# KiCad board DG Nova CPU Tester.kicad_pcb (continued)
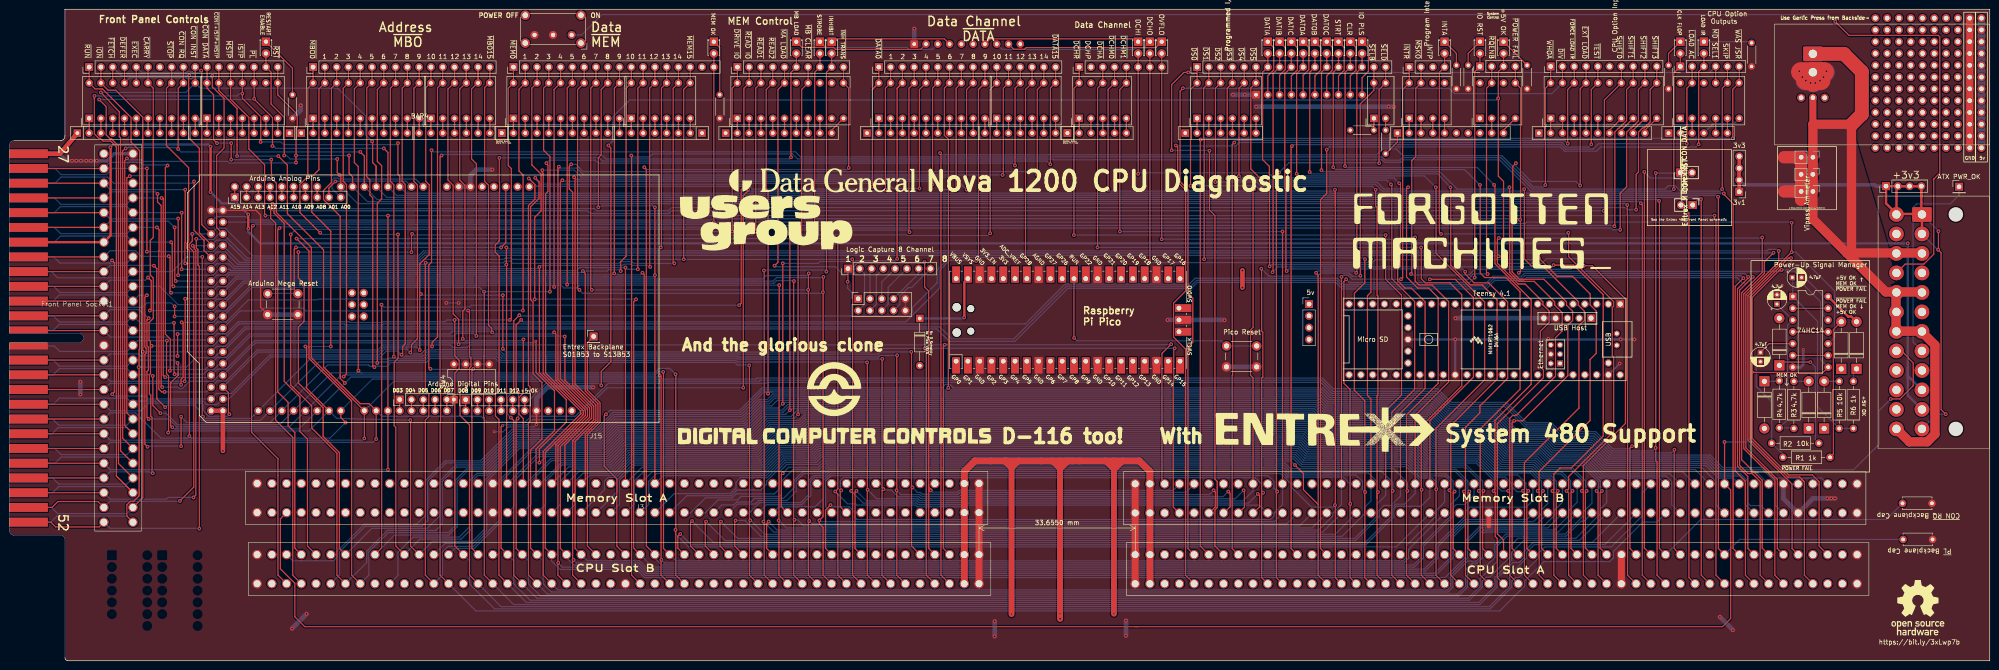
[diagram p0: board, top side]
## Routing (per net, layer and track width the routed paths; a pad name or vN(x,y) marks a point on that pad's centre or on a via; arc(x,y) is an arc through that point) (continued)
~{MBO8}: length 384.8
  Top w0.25: 258.51,31.75 259.91,33.15 259.91,36.32 v1(259.53,36.7) ; J3.12 191.25,18.44 191.25,36.65 v1(191.2,36.7) 191.25,36.76 191.25,65.71 v1(191.33,65.79) 191.25,65.86 ; J6.9 BAR3.12 84.66,123.34 84.66,103.26 85.33,102.6 85.33,68.24 84.77,67.69 84.77,66.17 v1(84.52,65.91)
  Bottom w0.25: v1(191.2,36.7) 192.11,35.8 196.19,35.8 196.58,35.41 204.79,35.41 205.18,35.8 258.62,35.8 v1(259.53,36.7) ; v1(84.52,65.91) 84.01,66.42 ; v1(84.52,65.91) 84.82,65.61 89.09,65.61 90,66.52 105.33,66.52 106.24,65.61 156.92,65.61 157.1,65.44 187.26,65.44 187.57,65.75 191.29,65.75 v1(191.33,65.79) ; v1(84.52,65.91) 83.76,66.67 ; 84.01,66.42 83.75,66.69 81.23,66.69 79.98,65.44 56.36,65.44 47.31,56.39 46.04,56.39 44.85,55.2 42.48,55.2 41.74,55.94 27.35,55.94 Front Panel Socket1.18 25.33,56.57 10.79,56.57 9.46,55.25 J5.18 ; 84.01,66.42 83.76,66.67 ; 83.76,66.67 83.74,66.67
~{MBO9}: length 403.8
  Top w0.25: v1(22.16,57.4) 22.63,57.87 22.63,85.77 v1(22.16,86.23) ; 194.43,66.6 v1(194.38,66.55) 194.43,66.49 194.43,37.54 v1(194.63,37.34) 194.43,37.14 194.43,24.71 J3.9 ; J6.10 BAR3.11 87.2,123.34 87.2,103.26 87.95,102.52 87.95,69.34 86.68,68.07 86.68,66.64 v1(86.42,66.39)
  Bottom w0.25: v1(22.16,57.4) 22.55,57.02 29.28,57.02 29.91,56.39 43.5,56.39 44.69,57.58 47.86,57.58 56.17,65.89 79.66,65.89 80.91,67.14 85.68,67.14 v1(86.42,66.39) 86.75,66.06 88.71,66.06 89.61,66.97 91.83,66.97 91.89,67.02 105.5,67.02 106.46,66.06 157.11,66.06 157.13,66.04 187.23,66.04 187.7,66.51 194.34,66.51 v1(194.38,66.55) ; 21.66,85.67 25.33,85.67 Front Panel Socket1.8 ; 21.66,85.67 10.92,85.67 9.59,87 J5.8 ; 21.66,85.67 21.66,85.72 v1(22.16,86.23) ; 255.33,38.02 253.56,36.25 205.55,36.25 ; v1(194.63,37.34) 195.72,36.25 196.38,36.25 196.77,35.86 204.53,35.86 204.93,36.25 207.33,36.25
~{MBO10}: length 424.9
  Top w0.25: 106.36,67.06 v1(106.36,67.18) v1(106.36,78.74) ; J6.11 90.87,124.57 89.75,123.44 89.75,103.26 90.49,102.52 90.49,87.51 88.46,85.48 88.46,79.25 v1(88.71,78.99) 88.46,78.74 v1(88.46,66.93) ; v1(251.14,67.31) 250.94,67.1 250.94,60.3 250.83,60.2 250.83,33.08 252.16,31.75 ; 46.04,58.93 47.23,57.74 47.23,53.29 v1(47.44,53.09) ; Front Panel Socket1.44 J5.44 ; v1(197.3,67.31) 197.6,67 197.6,18.44 J3.8
  Bottom w0.25: v1(106.36,67.18) 107.03,66.51 157.3,66.51 157.32,66.49 185.48,66.49 186.27,67.27 197.26,67.27 v1(197.3,67.31) v1(251.14,67.31) ; 88.49,66.97 v1(88.46,66.93) 87.8,67.59 80.72,67.59 79.63,66.49 53.6,66.49 46.04,58.93 ; Front Panel Socket1.44 21.78,53.84 28.39,53.84 30.04,55.49 41.56,55.49 41.82,55.22 41.82,53.84 43.01,52.66 47.01,52.66 v1(47.44,53.09) ; v1(88.71,78.99) 88.97,78.74 v1(106.36,78.74)
~{MBO11}: length 425.6
  Top w0.25: v1(31.81,93.34) 32.28,92.88 32.28,88.39 32.23,88.34 32.23,58.51 32.83,57.91 v1(33.47,57.91) ; 248.99,38.02 248.4,38.61 248.4,66.21 v1(250.38,68.2) 250.38,68.2 ; v1(91.12,67.69) 91.12,68.58 92.28,69.74 92.28,123.44 93.41,124.57 J6.12 ; v1(201.61,68.07) 201.31,67.76 201.31,24.19 J3.5
  Bottom w0.25: J5.6 9.72,93.34 11.04,92.02 25.33,92.02 Front Panel Socket1.6 v1(31.81,93.34) 31.69,93.34 ; v1(33.47,57.91) 42.48,57.91 44.85,60.28 46.75,60.28 53.41,66.94 79.44,66.94 80.53,68.03 90.78,68.03 v1(91.12,67.69) 91.47,68.03 95.06,68.03 95.62,67.47 98.69,67.47 99.25,68.03 201.58,68.03 v1(201.61,68.07) 250.25,68.07 v1(250.38,68.2)
~{MBO12}: length 504.5
  Top w0.25: 113.51,68.87 v2(113.48,68.83) 113.51,68.8 113.51,62.1 117.49,58.12 117.49,49.57 113.51,45.59 113.51,38.32 113.73,38.1 ; v1(31.94,100.58) 31.94,98.83 32.73,98.04 32.73,59.16 v1(32.96,58.93) ; v1(96.84,68.2) 96.84,73.54 95.65,74.73 95.65,102.44 94.53,103.55 94.53,123.15 95.95,124.57 J6.13 BAR4.18 ; Front Panel Socket1.30 J5.30 ; J2.39 336.56,24.18 336.56,36.27 v1(336.87,36.58)
  Bottom w0.25: v1(32.96,58.93) 36.42,58.93 36.64,58.71 37.32,58.71 38.81,60.2 43.91,60.2 45.18,61.47 46.04,61.47 53.06,68.48 96.55,68.48 v1(96.84,68.2) 97.12,68.48 113.13,68.48 v2(113.48,68.83) ; Front Panel Socket1.30 21.71,101.02 31.51,101.02 v1(31.94,100.58) ; v1(336.87,36.58) 336.49,36.96 336.49,38.75 334.55,40.7 330.74,40.7 328.72,42.72 321.74,42.72 317.83,46.63 307.04,46.63 304.18,49.5 281.56,49.5 279.93,51.13 172.04,51.13 170.85,49.94 164.25,49.94 160.48,46.18 132.95,46.18 129.42,42.65 118.94,42.65 114.39,38.1 113.73,38.1
~{MBO13}: length 502.3
  Top w0.25: v1(339.92,36.58) 339.66,36.32 339.66,24.25 J2.37 ; BAR4.17 J6.14 98.49,124.57 97.08,123.15 97.08,103.55 98.19,102.44 98.19,75.77 97.73,75.31 v1(97.73,69.34) ; 110.55,38.1 110.77,38.32 110.77,52.17 109.84,53.11 109.84,56.72 110.77,57.66 110.77,69.18 v1(110.81,69.22) 110.77,69.25 ; v1(33.59,61.09) 33.18,61.5 33.18,99.47 33.09,99.57 v1(32.83,99.69) 32.96,99.69
  Bottom w0.25: J5.4 9.72,99.69 11.11,98.3 25.26,98.3 Front Panel Socket1.4 v1(32.83,99.69) ; v1(33.59,61.09) 33.68,61 43.03,61 44.85,62.82 46.75,62.82 52.87,68.94 97.32,68.94 v1(97.73,69.34) 98.13,68.94 110.53,68.94 v1(110.81,69.22) ; 110.55,38.1 111.22,38.1 116.67,43.55 129.05,43.55 132.58,47.08 160.11,47.08 163.87,50.84 170.47,50.84 171.66,52.03 280.3,52.03 281.94,50.4 304.55,50.4 307.42,47.53 318.2,47.53 322.11,43.62 329.09,43.62 331.11,41.59 336.82,41.59 339.74,38.68 339.74,36.76 v1(339.92,36.58)
~{MBO14}: length 467.2
  Top w0.25: J2.43 330.21,24.18 330.21,36.27 v1(330.52,36.58) ; v1(35.62,61.72) 35.5,61.85 v1(35.5,72.77) ; 120.08,38.1 119.74,38.44 119.74,46.48 125.5,52.25 125.5,54.68 119.74,60.45 119.74,69.81 v1(119.7,69.85) 119.74,69.89 ; v1(100.65,69.98) 100.65,107.06 99.61,108.1 99.61,123.15 101.03,124.57 J6.15 BAR4.16
  Bottom w0.25: v1(330.52,36.58) 330.21,36.89 330.21,38.68 327.97,40.92 320.99,40.92 317.08,44.83 306.3,44.83 303.43,47.7 280.82,47.7 279.18,49.33 172.78,49.33 171.59,48.14 164.99,48.14 161.23,44.38 133.71,44.38 130.18,40.85 122.83,40.85 120.08,38.1 ; J5.12 9.46,74.3 10.79,72.97 25.33,72.97 Front Panel Socket1.12 28.31,72.64 34.74,72.64 34.86,72.77 v1(35.5,72.77) ; v1(35.62,61.72) 41.85,61.72 42.78,62.66 43.99,62.66 45.34,64.01 46.04,64.01 51.97,69.94 95.82,69.94 96.43,70.54 100.08,70.54 v1(100.65,69.98) 100.69,69.94 119.61,69.94 v1(119.7,69.85)
~{MBO15}: length 503.1
  Top w0.25: v1(104.08,70.74) 103.95,70.87 103.95,71.63 103.27,72.31 103.27,102.44 102.44,103.26 102.44,123.49 102.86,123.9 ; J2.41 333.38,24.18 333.38,36.27 v1(333.69,36.58) ; v1(34.61,62.48) 34.7,62.57 34.7,69.29 33.63,70.36 33.63,106.21 v1(34.1,106.68) ; 102.86,123.9 103.55,124.59 ; 102.86,123.9 103.44,124.48 BAR4.15 103.57,124.5 J6.16 ; 116.91,38.1 117.78,38.97 117.78,46.48 117.79,46.48 124.16,52.84 124.16,54.04 117.78,60.42 117.78,70.37 v1(117.41,70.74) ; Front Panel Socket1.28 J5.28
  Bottom w0.25: 116.91,38.1 120.55,41.75 129.8,41.75 133.33,45.28 160.86,45.28 164.62,49.04 171.22,49.04 172.41,50.23 279.55,50.23 281.19,48.6 303.8,48.6 306.67,45.73 317.46,45.73 321.36,41.82 328.34,41.82 330.37,39.8 332.27,39.8 333.38,38.68 333.38,36.89 v1(333.69,36.58) ; v1(34.61,62.48) 34.86,62.74 42.23,62.74 44.85,65.36 46.75,65.36 51.78,70.39 94.93,70.39 95.54,70.99 103.82,70.99 v1(104.08,70.74) 104.43,70.39 117.06,70.39 v1(117.41,70.74) ; Front Panel Socket1.28 21.71,107.37 28.33,107.37 28.89,106.81 33.97,106.81 v1(34.1,106.68)
~{MD SEL1}: length 233.5
  Top w0.25: v1(254.06,126.75) 253.13,126.75 250.49,124.11 v1(250.49,109.95) ; v1(258.64,109.86) 258.64,97.1 259.81,95.92 259.81,39.13 260.31,38.64 260.31,32.98 259.81,32.49 259.81,24.72 J2.87 ; J17.4 BAR16.17
  Bottom w0.25: v1(250.49,109.95) 258.54,109.95 v1(258.64,109.86) ; J17.4 366.43,126.71 254.1,126.71 v1(254.06,126.75) 254.03,126.71
~{MEM0}: length 492.6
  Top w0.25: v1(107.89,73.41) 108.19,73.71 108.19,106.02 107.52,106.68 107.52,123.34 BAR5.20 J7.1 ; 5.27,70.73 5.66,71.12 Front Panel Socket1.39 ; J3.71 96,24.71 96,61.98 96.95,62.92 96.95,64.72 96,65.66 96,73.35 v1(95.95,73.41) 96,73.46
  Bottom w0.25: J3.71 99.18,21.53 99.18,16.57 104.57,11.18 319.12,11.18 319.61,11.67 ; 353.76,38.02 351.91,36.17 351.91,31.2 345.22,24.51 330.9,24.51 329.69,23.3 329.69,22.28 325.31,17.91 324.55,17.91 323.79,17.14 323.79,15.84 319.61,11.67 ; 319.61,11.67 319.24,11.3 ; Front Panel Socket1.39 21.78,69.72 34.24,69.72 34.87,69.09 43.5,69.09 44.85,70.44 46.75,70.44 49.34,73.03 73.31,73.03 73.48,72.86 80.37,72.86 80.54,73.03 93.92,73.03 94.3,73.41 v1(95.95,73.41) v1(107.89,73.41)
~{MEM1}: length 491.9
  Top w0.25: J3.70 99.18,18.44 99.18,50.8 97.14,52.84 97.14,57.77 99.18,59.82 99.18,63.11 99.49,63.42 99.49,65.22 99.18,65.53 99.18,75.13 v1(98.87,75.44) ; J7.2 BAR5.19 109.84,123.11 109.84,105.51 110.73,104.62 110.73,75.48 v1(110.68,75.44) 110.73,75.39 ; Front Panel Socket1.41 J5.41 ; v1(36.26,70.36) v1(36.26,65.66)
  Bottom w0.25: 36.26,65.53 v1(36.26,65.66) 28.31,65.66 27.88,66.09 21.71,66.09 Front Panel Socket1.41 ; v1(110.68,75.44) v1(98.87,75.44) 98.79,75.36 63.95,75.36 63.36,75.95 54.88,75.95 54.29,75.36 49.77,75.36 46.04,71.63 45.18,71.63 43.91,70.36 v1(36.26,70.36) ; J3.70 105.97,11.66 318.96,11.66 323.33,16.03 323.33,18.49 326.96,22.12 326.96,23.33 328.66,25.02 343.85,25.02 350.58,31.75
~{MEM2}: length 434.7
  Top w0.25: 135.95,22.86 134.56,24.26 134.56,77.34 v1(135.07,77.85) ; J7.3 BAR5.18 112.6,123.34 112.6,106.81 114.6,104.81 114.6,96.9 113.22,95.52 v1(113.22,77.85)
  Bottom w0.25: v1(135.07,77.85) 135.02,77.9 113.27,77.9 v1(113.22,77.85) 113.18,77.9 66.69,77.9 66.59,77.8 65.89,77.8 65.82,77.73 51.5,77.73 46.75,72.98 44.85,72.98 42.99,71.12 Front Panel Socket1.13 25.33,72.45 10.79,72.45 9.57,71.27 J5.13 ; 315.66,38.02 315.66,35.69 313.63,33.66 313.63,33.66 311.85,33.66 311.08,32.89 311.08,31.01 304.74,24.66 304.74,22.11 302.8,20.18 138.64,20.18 135.95,22.86
~{MEM3}: length 499.7
  Top w0.25: 37.02,72.77 v1(37.15,72.9) 37.46,72.59 37.46,61.09 37.02,60.65 v1(37.02,59.44) 37.02,59.31 ; 102.36,79.56 v1(102.3,79.5) 102.36,79.45 102.36,65.66 102.32,65.62 102.32,62.14 102.36,62.1 102.36,58.06 102.22,57.92 102.22,52.49 102.36,52.36 102.36,18.44 J3.68 ; J7.4 BAR5.17 115.15,123.34 115.15,109.98 116.52,108.6 v1(116.52,79.5) ; Front Panel Socket1.43 J5.43
  Bottom w0.25: J3.68 108.69,12.1 316.87,12.1 320.61,15.84 320.61,17.78 323.99,21.16 325.36,21.16 326.51,22.3 326.51,22.61 ; 347.41,31.75 341.13,25.47 328.43,25.47 326.51,23.55 326.51,22.61 ; Front Panel Socket1.43 21.71,59.75 36.71,59.75 v1(37.02,59.44) ; 326.51,23.4 326.51,22.61 ; v1(116.52,79.5) v1(102.3,79.5) 101.37,80.44 52.31,80.44 46.04,74.17 45.18,74.17 43.91,72.9 v1(37.15,72.9)
~{MEM4}: length 402
  Top w0.25: J7.5 BAR5.16 117.4,123.05 117.4,80.54 v1(117.41,80.52) ; 165.85,80.83 v1(165.93,80.9) 165.85,30.28 v1(165.8,30.23) 165.85,30.17 165.85,18.44 J3.28 ; v1(35.62,76.33) v1(35.62,74.17) ; Front Panel Socket1.37 J5.37
  Bottom w0.25: Front Panel Socket1.37 21.71,76.14 28.71,76.14 29.66,77.09 34.86,77.09 v1(35.62,76.33) ; 283.91,31.75 280.76,28.6 167.43,28.6 v1(165.8,30.23) ; v1(35.62,74.17) 43.5,74.17 44.69,75.36 46.59,75.36 52.12,80.89 117.04,80.89 v1(117.41,80.52) 117.78,80.89 118.94,80.89 119.52,80.3 122.27,80.3 122.85,80.89 165.91,80.89 v1(165.93,80.9)
~{MEM5}: length 402.6
  Top w0.25: v1(120.21,81.03) 120.22,81.04 120.22,123.38 BAR5.15 121.35,124.5 J7.6 ; Front Panel Socket1.36 J5.36 ; 169.03,81.86 v1(169.1,81.79) 169.03,81.72 169.03,30.55 v1(169.23,30.35) 169.03,30.15 169.03,18.44 J3.26 ; v1(29.91,82.55) 30.59,81.88 30.59,75.73 v1(30.29,75.44)
  Bottom w0.25: 280.74,31.75 278.04,29.05 171.17,29.05 169.86,30.35 v1(169.23,30.35) ; Front Panel Socket1.36 21.71,81.97 29.33,81.97 v1(29.91,82.55) ; v1(30.29,75.44) 43.91,75.44 45.18,76.71 46.04,76.71 50.67,81.34 119.9,81.34 v1(120.21,81.03) 120.52,81.34 164.78,81.34 165.33,81.88 169.01,81.88 v1(169.1,81.79)
~{MEM6}: length 446.8
  Top w0.25: J7.7 BAR5.14 122.47,123.05 122.47,80.28 v1(122.87,79.88) ; J3.22 175.38,18.44 175.38,28.7 174.56,29.52 v1(174.56,30.23) 175.38,31.04 175.38,79.32 v1(175.32,79.38) 175.38,79.43 175.38,82.61 v1(175.45,82.68) 175.38,82.75
  Bottom w0.25: J5.10 9.59,80.64 10.92,79.32 25.33,79.32 Front Panel Socket1.10 32.44,80.64 36.38,76.71 43.5,76.71 44.69,77.9 46.59,77.9 50.48,81.79 160.47,81.79 160.47,81.79 164.6,81.79 165.32,82.51 175.29,82.51 v1(175.45,82.68) ; 174.44,30.23 v1(174.56,30.23) 174.56,30.1 174.69,29.97 272.61,29.97 274.38,31.75 ; v1(175.32,79.38) 175.11,79.16 123.47,79.16 v1(122.87,79.88) 122.87,79.76
~{MEM7}: length 458.4
  Top w0.25: J3.24 172.2,18.44 172.2,29.9 v1(172.4,30.1) 172.2,30.3 172.2,79.83 v1(172.15,79.88) 172.2,79.94 172.2,83.37 v1(172.28,83.44) 172.2,83.51 ; J7.8 BAR5.13 125.31,123.34 125.31,80.12 v1(125.54,79.88) ; v1(37.78,60.2) 37.91,60.33 v1(37.91,77.98) ; Front Panel Socket1.42 J5.42
  Bottom w0.25: Front Panel Socket1.42 21.78,60.2 v1(37.78,60.2) ; v1(125.54,79.88) v1(172.15,79.88) ; 277.56,31.75 275.31,29.5 173,29.5 v1(172.4,30.1) ; 38.16,77.98 v1(37.91,77.98) 44.13,77.98 45.4,79.25 46.04,79.25 49.03,82.24 135.7,82.24 135.7,82.24 162.37,82.24 163.1,82.96 171.8,82.96 v1(172.28,83.44)
~{MEM8}: length 442.2
  Top w0.25: v1(34.86,79.25) 34.65,79.47 34.65,86.85 34.63,86.85 v1(34.35,87.12) ; v1(311.47,36.45) 311.16,36.14 311.16,24.18 J2.55 ; Front Panel Socket1.34 J5.34 ; J7.9 BAR5.12 127.56,123.05 127.56,108.97 126.94,108.35 v1(126.94,97.66) ; v1(139.13,97.66) v1(139.13,83.06) 139.13,38.1
  Bottom w0.25: v1(34.35,87.12) 28.4,87.12 27.2,88.32 21.71,88.32 Front Panel Socket1.34 ; v1(126.94,97.66) 127.79,98.01 138.78,98.01 v1(139.13,97.66) ; v1(311.47,36.45) 311.16,36.76 311.16,38.68 309.57,40.27 304.49,40.27 301.57,43.2 278.95,43.2 277.32,44.83 174.75,44.83 173.56,43.64 166.89,43.64 163.13,39.88 140.91,39.88 139.13,38.1 ; v1(34.86,79.25) 43.5,79.25 44.85,80.6 46.75,80.6 48.84,82.69 128.34,82.69 128.34,82.69 138.76,82.69 v1(139.13,83.06)
~{MEM9}: length 436.2
  Top w0.25: v1(130.37,83.44) 130.38,83.46 130.38,123.34 BAR5.11 J7.10 ; v1(35.37,80.64) 35.12,80.9 35.12,89.92 v1(34.86,90.17) ; v1(314.64,36.45) 314.33,36.14 314.33,24.18 J2.53 ; 135.95,38.1 136.83,38.97 136.83,83.2 v1(136.46,83.57)
  Bottom w0.25: v1(314.64,36.45) 314.33,36.76 314.33,38.68 311.79,41.23 304.81,41.23 301.94,44.1 279.33,44.1 277.69,45.73 174.37,45.73 173.18,44.54 166.52,44.54 162.76,40.78 138.63,40.78 135.95,38.1 ; v1(34.86,90.17) Front Panel Socket1.7 25.33,91.5 11.04,91.5 9.72,90.17 4.15,90.17 ; v1(35.37,80.64) 35.5,80.52 43.91,80.52 45.18,81.79 46.04,81.79 47.39,83.14 121.35,83.14 121.35,83.14 130.07,83.14 v1(130.37,83.44) 130.67,83.14 136.03,83.14 v1(136.46,83.57)
~{MEM10}: length 463.7
  Top w0.25: J7.11 BAR6.20 132.93,123.34 132.93,87.14 131.76,85.98 v1(131.76,83.95) 131.76,83.82 ; Front Panel Socket1.32 J5.32 ; J2.45 327.04,24.18 327.04,36.27 v1(327.34,36.58) 327.04,36.89 ; v1(35.62,93.34) 35.66,93.31 35.66,82 v1(35.88,81.79) ; 123.25,38.1 124.13,38.97 124.13,48.83 126.85,51.55 126.85,55.38 124.13,58.11 124.13,83.45 v1(123.64,83.95)
  Bottom w0.25: v1(327.34,36.58) 326.84,37.08 326.84,38.23 325.06,40.02 320.62,40.02 316.71,43.93 305.93,43.93 303.06,46.8 280.45,46.8 278.81,48.43 173.16,48.43 171.96,47.24 165.38,47.24 161.62,43.48 134.08,43.48 130.55,39.95 125.1,39.95 123.25,38.1 ; v1(35.62,93.34) 34.3,94.67 21.71,94.67 Front Panel Socket1.32 ; v1(35.88,81.79) 43.5,81.79 44.77,83.06 46.67,83.06 47.2,83.59 51.75,83.59 51.76,83.59 123.28,83.59 v1(123.64,83.95) 128.84,83.95 129.12,84.22 131.49,84.22 v1(131.76,83.95)
~{MEM11}: length 445.6
  Top w0.25: v1(317.69,36.58) 317.51,36.39 317.51,24.18 J2.51 ; Front Panel Socket1.31 J5.31 ; J7.12 BAR6.19 135.47,123.34 v1(135.45,84.33) 135.47,84.35 ; 132.78,38.1 v1(132.78,84.71) ; v1(36.39,83.06) v1(36.39,95.25)
  Bottom w0.25: v1(135.45,84.33) 133.16,84.33 v1(132.78,84.71) 132.74,84.67 122.87,84.67 122.24,84.04 47.82,84.04 47.82,84.04 47.53,84.33 45.18,84.33 43.91,83.06 v1(36.39,83.06) ; v1(317.69,36.58) 317.51,36.76 317.51,38.68 314.06,42.13 305.18,42.13 302.31,45 279.7,45 278.06,46.63 174,46.63 172.81,45.44 166.13,45.44 162.37,41.68 136.36,41.68 132.78,38.1 ; v1(36.39,95.25) 36.33,95.2 21.71,95.2 Front Panel Socket1.31 21.59,95.32
~{MEM12}: length 517.4
  Top w0.25: v1(37.15,96.52) v1(37.15,84.33) ; v1(342.08,36.58) 342.38,36.27 342.38,18.43 J2.36 ; v1(138.11,84.84) 138,84.95 138,123.34 BAR6.18 J7.13 ; v1(114.24,84.84) 114.24,62.05 120.03,56.25 120.03,51.39 114.24,45.59 v1(114.24,42.67)
  Bottom w0.25: 107.38,31.83 108.78,33.23 108.78,38.73 114.04,44 115.89,44 ; v1(37.15,96.52) Front Panel Socket1.5 25.33,97.84 11.04,97.84 9.72,96.52 J5.5 ; 115.89,44 128.84,44 132.37,47.53 159.92,47.53 163.69,51.29 170.29,51.29 171.48,52.48 280.49,52.48 282.12,50.85 304.74,50.85 307.6,47.98 318.39,47.98 322.3,44.07 329.28,44.07 331.29,42.05 338.9,42.05 342.46,38.5 342.46,36.96 v1(342.08,36.58) ; 115.89,44 115.69,44 v1(114.24,42.67) 114.37,42.67 ; v1(37.15,84.33) 43.5,84.33 44.69,85.52 47.3,85.52 48.33,84.49 113.89,84.49 v1(114.24,84.84) 114.55,85.15 132.19,85.15 132.48,85.43 133.96,85.43 134.25,85.15 137.61,85.15 137.92,84.84 v1(138.11,84.84) 137.99,84.84
~{MEM13}: length 508.9
  Top w0.25: J2.35 342.83,24.25 342.83,36.19 v1(343.22,36.58) ; 20.38,102.87 4.15,102.87 ; v1(107.13,85.34) 107.16,85.31 107.16,58.36 107.17,58.35 107.17,50.86 107.16,50.86 107.16,38.32 ; v1(107.13,85.34) v1(107.13,89.03) ; v1(107.13,85.34) 107.16,85.38 ; v1(37.91,101.47) 37.91,90.16 37.86,90.1 37.86,85.65 v1(37.91,85.6) ; J7.14 BAR6.17 140.54,123.34 140.54,89.17 v1(140.4,89.03)
  Bottom w0.25: v1(140.4,89.03) 140.15,88.77 140.15,88.75 107.41,88.75 v1(107.13,89.03) ; v1(37.91,101.47) 21.78,101.47 20.38,102.87 ; v1(343.22,36.58) 342.91,36.89 342.91,38.68 339.05,42.55 331.54,42.55 329.56,44.52 322.48,44.52 318.57,48.43 307.79,48.43 304.92,51.3 282.31,51.3 280.67,52.93 171.29,52.93 170.1,51.74 163.5,51.74 159.74,47.98 132.19,47.98 128.66,44.45 113.73,44.45 107.38,38.1 ; v1(107.13,85.34) 106.72,84.94 48.6,84.94 46.67,86.87 45.18,86.87 43.91,85.6 v1(37.91,85.6)
~{MEM14}: length 575.4
  Top w0.25: 89.66,85.8 v1(89.73,85.72) 89.66,85.65 89.66,58.29 90.41,57.54 90.41,52.57 89.66,51.82 89.66,18.44 J3.76 ; v1(39.82,103.25) 39.82,92.71 41.97,90.55 41.97,88.39 43.5,86.87 ; v1(143.32,85.6) 143.07,85.85 143.07,123.32 BAR6.16 J7.15
  Bottom w0.25: 169.16,53.28 168.52,52.64 163.13,52.64 159.36,48.88 131.81,48.88 128.28,45.35 112.12,45.35 105.53,38.76 105.53,30.16 100.01,24.64 94.59,24.64 93.36,23.41 93.36,18.44 J3.76 ; 169.16,53.28 169.71,53.83 ; 169.16,53.28 169.71,53.83 ; 169.71,53.83 281.05,53.83 282.68,52.2 305.29,52.2 308.16,49.33 318.95,49.33 322.85,45.42 329.93,45.42 331.91,43.45 339.42,43.45 343.07,39.8 357.03,39.8 358.26,38.57 358.26,33.6 360.11,31.75 ; v1(143.32,85.6) 134.56,85.6 134.18,85.98 131.76,85.98 131.38,85.6 108.52,85.6 108.05,86.07 106.83,86.07 106.48,85.72 v1(89.73,85.72) 89.39,85.39 49.21,85.39 46.55,88.06 44.69,88.06 43.5,86.87 ; v1(39.82,103.25) 39.43,102.87 22.47,102.87 21.15,104.19 11.17,104.19 9.84,102.87 4.15,102.87
~{MEM15}: length 407.4
  Top w0.25: v1(269.05,35.94) 269.44,35.56 269.44,33.15 268.04,31.75 ; v1(29.66,88.14) v1(29.66,106.05) ; J7.16 146.75,124.5 BAR6.15 145.34,123.09 145.34,86.5 v1(145.35,86.49) ; J3.18 181.73,18.44 181.73,36.27 v1(181.42,36.58) 181.73,36.89 181.73,79.25 181.83,79.36 181.83,86.33 v1(181.68,86.49) 181.73,86.54
  Bottom w0.25: v1(269.05,35.94) 267.08,33.97 206,33.97 205.64,33.61 201.36,33.61 ; v1(181.68,86.49) 181.64,86.45 145.39,86.45 v1(145.35,86.49) 145.32,86.45 108.4,86.45 108.11,86.74 106.87,86.74 106.58,86.45 89.32,86.45 88.71,85.84 49.61,85.84 46.04,89.41 45.18,89.41 43.91,88.14 v1(29.66,88.14) ; J5.2 9.84,106.05 11.17,104.72 20.93,104.72 22.26,106.05 Front Panel Socket1.2 v1(29.66,106.05) ; v1(181.42,36.58) 184.03,33.97 195.48,33.97 195.84,33.61 201.87,33.61
~{MSKO}: length 409.1
  Top w0.25: v1(302.07,83.31) 302.24,83.48 302.24,107.72 303.11,108.59 303.11,123.34 BAR13.19 J13.2 ; J2.38 339.21,18.43 339.21,36.27 v1(338.9,36.58) 339.21,36.89 339.21,42.04 348.28,51.11 348.28,77.96 341.15,85.09 v1(339.28,85.09) 339.21,85.16
  Bottom w0.25: v1(338.9,36.58) 339.21,36.89 339.21,38.57 336.63,41.14 330.93,41.14 328.9,43.17 321.92,43.17 318.02,47.08 307.23,47.08 304.36,49.95 281.75,49.95 280.11,51.58 171.85,51.58 170.66,50.39 164.06,50.39 160.3,46.63 132.76,46.63 129.23,43.1 116.85,43.1 112.41,38.65 112.41,33.68 110.55,31.83 ; v1(302.07,83.31) 302.29,83.09 314.55,83.09 315.79,84.33 336.49,84.33 337.25,85.09 v1(339.28,85.09)
~{MSTP}: length 562.2
  Top w0.25: J9.13 BAR2.18 47.69,120.97 51.63,117.03 51.63,110.23 55.01,106.85 55.01,96.06 v1(55.18,95.89) ; v1(81.6,95.89) v1(81.6,41.15) ; J2.20 367.79,18.43 367.79,94.94 367.48,95.25 v1(367.48,95.89) ; Front Panel Socket1.48 J5.48
  Bottom w0.25: v1(367.48,95.89) v1(81.6,95.89) v1(55.18,95.89) ; 81.6,41.14 v1(81.6,41.15) 28.13,41.14 21.78,41.14 Front Panel Socket1.48 21.71,41.22
~{PL}: length 598.3
  Top w0.25: Front Panel Socket1.23 23.53,42.5 23.53,110.91 22.05,112.4 21.76,112.4 20.88,113.28 20.88,119.4 v1(19.37,120.9) ; J2.19 368.31,24.18 368.31,99.88 v1(368.24,99.95) ; 56.72,110.85 v1(56.71,110.87) 56.72,110.89 56.72,117.02 52.77,120.97 v1(52.77,121.03) BAR2.16 J9.15 ; 81.6,102.11 81.6,109.47 v1(80.71,110.36)
  Bottom w0.25: v1(52.77,121.03) 52.64,120.9 v1(19.37,120.9) ; J2.19 372.91,26.12 C1.2 ; 81.6,102.11 83.45,100.26 367.93,100.26 v1(368.24,99.95) ; Front Panel Socket1.23 25.33,38.05 10.66,38.05 9.34,39.37 4.15,39.37 ; v1(80.71,110.36) 57.47,110.36 56.96,110.87 v1(56.71,110.87)
~{POWER FAIL}: length 503.2
  Top w0.25: 375.97,62.1 375.58,62.48 ; 375.97,62.1 390.84,62.1 U1.8 ; 375.97,62.1 375.83,62.1 375.58,61.85 ; 375.58,62.48 375.58,61.85 ; 375.58,62.48 375.58,78.24 381.54,84.2 v1(381.95,84.2) ; v1(325.31,83.57) 325.68,83.93 325.68,94.89 v1(325.57,95) 325.68,95.11 325.68,123.34 BAR14.17 J14.4 ; 375.58,61.85 375.58,47.92 383.48,40.02 388.56,40.02 390.01,38.57 390.01,24.7 J2.5
  Bottom w0.25: 43.5,94.49 44.69,95.68 50.94,95.68 51.68,94.94 151.25,94.94 151.53,95.21 325.35,95.21 v1(325.57,95) ; U1.8 390.34,64.85 390.34,77.31 385.3,82.34 385.3,83.34 384.71,83.93 383.72,83.93 383.45,84.2 v1(381.95,84.2) 381.63,83.88 325.62,83.88 v1(325.31,83.57)
~{READ1}: length 542.5
  Top w0.25: v1(160.85,92.46) 160.87,92.47 160.87,123.34 BAR7.18 J18.3 ; v1(86.81,91.95) 86.68,91.82 v1(86.68,88.01) ; J3.87 71.13,24.19 71.13,44.83 67.63,48.33 67.63,54.48 62.3,59.82 62.3,71.88 63.52,73.1 63.52,81.2 62.3,82.42 v1(62.3,88.01)